# KiCad board pcb.kicad_pcb (continued)
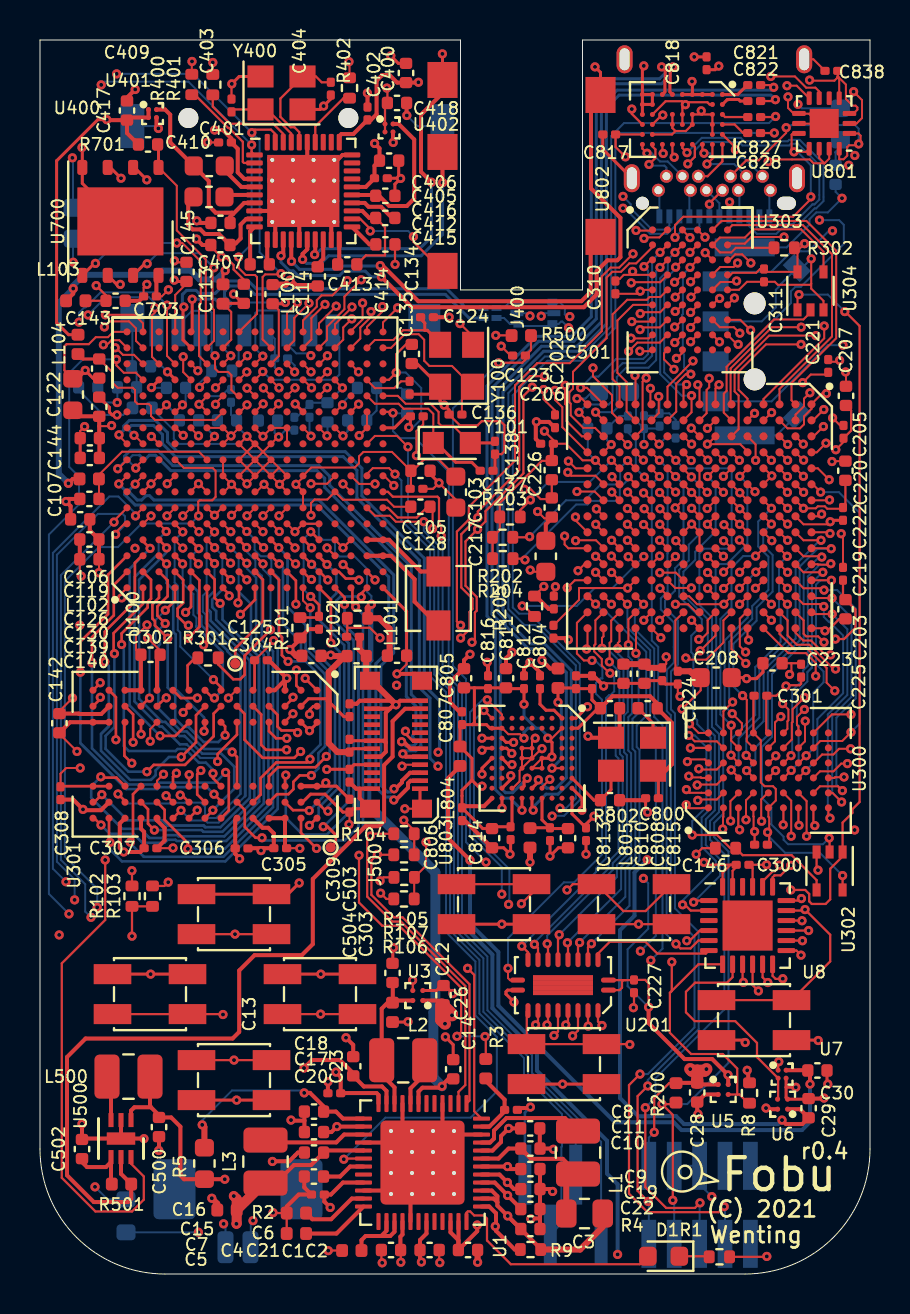
[diagram p0: board, top side]
## Routing (per net, layer and track width the routed paths; a pad name or vN(x,y) marks a point on that pad's centre or on a via; arc(x,y) is an arc through that point) (continued)
/fpga/FPGA_TDO: length 48.6
  Top w0.1: U200.K4 31.39,41.1 v1(31.79,40.7)
  Top w0.11: v1(30.27,8.32) 30.27,4.35 31.31,3.3 32.74,3.3 v1(33,3.56)
  Bottom w0.1: J200.6 32.98,3.54 v1(33,3.56) ; v1(30.27,8.32) 30.77,8.82 30.77,9.79 34.22,13.23 34.22,21.01 33.5,21.72 33.5,22.66 33.95,23.11 33.95,27.01 33.6,27.36 33.6,32.84 32.97,33.47 32.97,36.04 33.21,36.28 34.39,36.28 34.59,36.48 34.59,40.16 34.45,40.3 32.19,40.3 v1(31.79,40.7)
/fpga/FPGA_TMS: length 42
  Top w0.1: v1(31.78,39.89) 31.38,40.3 U200.K5
  Top w0.11: v1(30.41,3.63) 29.88,4.16 29.88,8.9 v1(30.39,9.41)
  Bottom w0.1: v1(30.39,9.41) 30.39,9.7 32.94,12.25 32.94,17.1 31.75,18.29 31.75,28.04 31.55,28.24 31.55,30.14 31.9,30.49 31.9,32.68 31.25,33.33 31.25,33.68 31.75,34.18 31.75,35.3 32.17,35.73 32.17,39.5 v1(31.78,39.89) ; J200.2 30.44,3.6 v1(30.41,3.63)
/fpga/K_A: length 20.1
  Top w0.1: v1(28.5,30.05) 28.47,30.05 28.09,30.44 28.09,30.76 27.71,31.14 27.71,31.44 27.77,31.5 27.77,32.69 28.18,33.1
  Top w0.11: 24.4,15.72 24.4,16.09 v1(24.09,16.4)
  Bottom w0.1: v1(28.5,30.05) 28.71,29.84 28.71,29.14 28.53,28.96 28.46,28.96 28.3,28.8 28.3,20.79 27.8,20.29 27.8,20.11 v1(24.09,16.4)
/fpga/K_B: length 22.5
  Top w0.1: v1(27.6,30.69) 27.19,30.69 26.85,31.03 26.85,32.57 U200.R14 ; v1(23.4,15.29) 23.4,14.8 23.5,14.7 U201.11
  Bottom w0.1: v1(27.6,30.69) 27.76,30.69 28.12,30.33 28.12,29.79 28.02,29.79 27.8,29.57 27.8,29.02 28.1,28.72 28.1,20.98 26.71,19.59 26.19,19.59 23.4,16.8 v1(23.4,15.29)
/fpga/K_DOWN: length 20.8
  Top w0.1: v1(27.78,33.51) 27.39,33.9 U200.R13
  Top w0.11: 27.4,15.72 27.4,16.35 v1(27.57,16.52)
  Bottom w0.1: v1(27.57,16.52) 29.47,18.42 29.47,20.2 29.97,20.7 29.97,26.22 29.84,26.36 29.84,27.44 30.31,27.92 30.31,31.12 28.31,33.12 28.17,33.12 v1(27.78,33.51)
/fpga/K_LEFT: length 18
  Top w0.1: v1(29.8,31.05) 29.8,32.28 U200.M15
  Top w0.11: v1(26.98,16.58) 26.9,16.5 26.9,15.72
  Bottom w0.1: v1(26.98,16.58) 29.26,18.86 29.26,20.28 29.76,20.78 29.76,26.13 29.63,26.27 29.63,27.77 29.93,28.07 29.93,30.92 v1(29.8,31.05)
/fpga/K_RIGHT: length 19.1
  Top w0.1: U200.M14 29.42,32.75 v1(29.42,31.47)
  Top w0.11: v1(26.37,16.57) 26.4,16.54 26.4,15.72
  Bottom w0.1: v1(26.37,16.57) 29.05,19.25 29.05,20.37 29.55,20.87 29.55,26.05 29.42,26.19 29.42,27.85 29.6,28.04 29.6,30.7 29.42,30.88 29.42,31.46
/fpga/K_SELECT: length 19.7
  Top w0.1: v1(28.47,30.62) 28.48,30.61 28.48,30.61 28.48,31.57 28.56,31.65 28.56,32.69 U200.N14
  Top w0.11: v1(24.72,16.49) 24.9,16.31 24.9,15.72
  Bottom w0.1: v1(24.72,16.49) 24.72,16.58 28.42,20.28 28.42,20.63 28.92,21.13 28.92,25.78 28.79,25.92 28.79,28.11 28.97,28.3 28.97,30.13 28.48,30.61
/fpga/K_START: length 18.9
  Top w0.1: 28.18,32.3 28.18,31.89 28.1,31.82 v1(28.1,31.3)
  Top w0.11: v1(25.36,16.52) 25.4,16.48 25.4,15.72
  Bottom w0.1: v1(25.36,16.52) 25.36,16.93 28.63,20.21 28.63,20.54 29.13,21.04 29.13,25.87 29,26.01 29,28.03 29.18,28.21 29.18,30.45 28.33,31.3 v1(28.1,31.3)
/fpga/K_UP: length 18.4
  Top w0.1: U200.N15 28.97,31.64 28.89,31.56 v1(28.89,31.29)
  Top w0.11: 25.9,15.72 25.9,16.91 v1(25.96,16.97)
  Bottom w0.1: v1(28.89,31.29) 28.89,31.04 29.39,30.54 29.39,28.12 29.21,27.94 29.21,26.1 29.34,25.96 29.34,20.96 28.84,20.46 28.84,19.85 v1(25.96,16.97)
/lcd/LEDA: length 43.3
  Top w0.2: 19,28.28 18.25,28.28 17.63,27.65 17.63,25.88 17.2,25.45 17.2,22.65 16.95,22.4 16.28,22.4 13.64,19.76 13.64,16.5 13.09,15.95 10.73,15.95 9.96,15.18 9.96,12.11 9.63,11.78 2.28,11.78 1.35,10.85 1.35,4.94 2.69,3.6 4.4,3.6 4.56,3.76 R501.2 4.05,5.01 U500.5
/mcu/JTAG_TCK: length 38.9
  Top w0.1: v1(19.19,37.63) 17.79,37.63 17.49,37.93 16.75,37.93 U100.T6
  Bottom w0.1: 26.78,4.97 26.78,7.6 24.4,9.98 24.4,10.88 22.17,13.11 22.17,15.79 20.7,17.26 20.7,29.3 19.92,30.08 19.92,36.44 19.19,37.17 v1(19.19,37.63)
/mcu/JTAG_TMS: length 43.1
  Top w0.11: v1(20.06,36.92) 20.06,37.45 19.95,37.56 19.95,38.8 19.87,38.88 17.64,38.88 17.4,39.12 U100.U7
  Bottom w0.1: J101.1 28.06,6.61 24.6,10.07 24.6,10.97 22.37,13.19 22.37,15.88 20.9,17.35 20.9,29.39 20.13,30.16 20.13,36.85 v1(20.06,36.92)
/mcu/RESET: length 45.3
  Top w0.1: U100.T10 16.75,41.92 17.85,41.92 v1(18.4,41.37)
  Bottom w0.1: J101.3 26.07,2.53 26.07,6.36 26.1,6.39 26.1,8 24.2,9.9 24.2,10.8 21.97,13.03 21.97,15.71 20.5,17.18 20.5,29.2 19.71,29.99 19.71,36.36 18.4,37.67 v1(18.4,41.37)
/power/TS: length 23.2
  Top w0.2: 22.8,2.67 22.8,2.42 v1(22.77,2.38) ; 22.8,2.67 22.8,2.16 23.73,1.22 R9.1 ; 22.8,2.67 22.8,3.04 22.47,3.38 U1.37
  In2.Cu w0.11: v1(7.92,2.09) 9.08,3.25 10.73,3.25 11.39,2.59 15.9,2.59 16.44,2.04 22.43,2.04 v1(22.77,2.38)
  Bottom w0.1: v1(7.92,2.09) 7.92,2.08 TH1.1
/usb/DP_AUXN: length 52
  Top w0.11: C828.1 36.71,57.07 v1(36.71,57.07)
  Top w0.15: v1(23.1,23.3) U803.H9
  In2.Cu w0.15: v1(23.1,23.3) 23.6,23.8 24.7,23.8 25.6,22.9 v1(25.6,22.9)
  Bottom w0.1: v1(36.71,57.07) 29,57.07 28.77,56.84 28.77,47.33 27.12,45.68 25.37,45.68 23.64,43.95 23.64,33.34 23.95,33.03 24.48,33.03 26.99,30.52 26.99,23.71 26.2,22.92 25.62,22.92 v1(25.6,22.9)
/usb/DP_AUXP: length 52.4
  Top w0.11: C827.1 36.75,57.87 v1(36.78,57.9)
  Top w0.15: U803.H8 23.54,24.74 v1(23.54,24.92)
  In2.Cu w0.15: v1(26,23.3) 25.1,24.2 24.26,24.2 v1(23.54,24.92)
  Bottom w0.1: v1(36.78,57.9) 36.45,57.57 29.2,57.57 28.56,56.93 28.56,47.42 27.03,45.89 25.24,45.89 23.42,44.07 23.42,33.26 24.22,32.46 24.77,32.46 26.79,30.44 26.79,23.79 26.3,23.3 v1(26,23.3)
/usb/DP_N0: length 46.6
  Top w0.15: U803.F9 v1(24.1,23.2) ; U802.G1 31.25,59.12 31.25,59.7 31.26,59.72 31.26,60.24 31.1,60.4
  Bottom w0.1: 31.26,60.24 31.1,60.4
  Bottom w0.15: v1(24.1,23.2) 23.5,23.8 23.2,23.8 22.76,24.24 22.76,32.49 22.35,32.91 22.35,44.42 24.83,46.91 26.59,46.91 27.56,47.88 27.56,59.04 28.31,59.79 30.98,59.79 30.98,59.78 31.26,60.07 31.26,60.24
  vias: v1(31.08,60.38)
/usb/DP_N1: length 51.5
  Top w0.11: v1(36.77,58.74) 36.7,58.67 C822.1
  Top w0.15: U803.E9 24.6,23.26 v1(24.66,23.2)
  Bottom w0.15: v1(24.66,23.2) 24.66,23.36 25.3,24 25.9,24 26.57,24.67 26.57,30.19 25.23,31.53 24.52,31.53 23.52,32.53 23.52,32.83 23.15,33.2 23.15,44.12 25.18,46.15 26.95,46.15 28.32,47.52 28.32,58.33 28.95,58.97 36.54,58.97 v1(36.77,58.74)
/usb/DP_P0: length 46.2
  Top w0.15: U803.F8 24.2,24.4 24.2,24.65 v1(24.36,24.8) ; v1(31.65,60.38) 31.51,60.24 31.51,59.62 31.5,59.6 31.5,59.12 U802.F1
  Bottom w0.15: v1(24.36,24.8) 23.64,24.08 23.28,24.08 23.01,24.34 23.01,32.32 23.01,32.6 22.6,33.01 22.6,44.32 24.93,46.66 26.69,46.66 27.81,47.78 27.81,58.94 28.41,59.53 31.08,59.53 31.51,59.96 31.51,60.24
/usb/DP_P1: length 50.7
  Top w0.11: v1(36.68,59.36) 36.57,59.47 C821.1
  Top w0.15: v1(24.92,24.72) 24.92,24.62 U803.E8
  Bottom w0.15: v1(36.68,59.36) 36.54,59.22 28.85,59.22 28.07,58.44 28.07,47.63 26.85,46.41 25.08,46.41 22.9,44.23 22.9,33.1 23.27,32.73 23.27,32.43 24.42,31.28 25.13,31.28 26.31,30.09 26.31,24.81 25.8,24.3 25.33,24.3 v1(24.92,24.72)
/usb/DP_VCC: length 42
  Top w0.1: U803.D5 U803.E6 U803.D6 U803.D5 ; U803.D5 25.54,25.8 25.6,25.86 ; U803.H2 23.12,27.3 23.42,27 24,27 v1(24.2,26.8) ; v1(25.39,26.8) 25.6,26.8 U803.B2
  Top w0.15: C805.1 21.72,29.32 ; 21.72,29.32 22.36,29.32 C816.1 22.44,29.32 C811.1 23.34,29.28 C812.1 v1(24.2,28.5) ; 21.72,29.32 21.72,27.58 21.62,27.48 ; v1(22.1,24.4) 21.9,24.4 21.6,24.7 ; 21.6,24.7 21.6,25.78 L804.2 21,27.38 C807.1 21.62,27.48 ; 21.6,24.7 21.1,24.2 C806.1 22.14,22.28 C814.1 22.69,22.37 C813.1 23.6,22.44 U803.G9 ; U803.H2 22.5,27.3 22.32,27.48 21.62,27.48 ; U803.A9 26.6,23.02 C815.1 27.3,22.5 v1(27.7,22.9) ; 25.6,26 25.6,26.59 v1(25.39,26.8) ; 25.6,26 25.6,25.86 v1(25.59,25.87) ; 25.6,26 25.4,25.8 U803.D5
  Top w0.2: U803.J9 22.2,23.4 21.18,23.4 C806.1
  In2.Cu w0.15: v1(22.1,24.4) 22.1,23 22.6,22.5 24.14,22.5 24.24,22.4 26,22.4 26.45,22.85 26.65,22.85 ; v1(27.7,22.9) 27.6,22.8 26.7,22.8 26.65,22.85 ; 26.65,22.85 26.65,24.82 25.77,25.7 25.75,25.7 v1(25.59,25.87)
  Bottom w0.15: v1(25.39,26.8) 25.39,26.91 25,27.3 24.8,27.3 ; 24.8,27.3 24.2,27.9 v1(24.2,28.5) ; 24.8,27.3 24.4,27.3 24.2,27.1 v1(24.2,26.8)
/usb/DP_VCCIO: length 19.1
  Top w0.1: U803.B6 v1(25.6,25.3)
  Top w0.15: U803.A2 26.9,27.3 27.96,28.36 27.6,28.72 ; C800.2 30.92,24.91 X800.4 ; 27.6,28.72 C802.1 C803.1 26.77,29.31 L803.2 v1(25.9,28.6) ; 27.6,28.72 C801.1 28,28.3
  Top w0.2: X800.4 31.28,25.17 31.6,25.5 31.6,27.56 R800.1 30.86,28.54 30.5,28.9 28.62,28.9 C801.1
  Bottom w0.15: v1(25.6,25.3) 26.07,25.77 26.07,28.43 v1(25.9,28.6)
/usb/DP_VPLL: length 3.6
  Top w0.15: L805.2 24.52,22.32 C810.1 ; C810.1 25.1,22.72 U803.D9 ; C810.1 25.54,22.28 C808.1
/usb/TYPEC_DN: length 17.4
  In2.Cu w0.15: 26.48,47.87 27.41,47.87 28.36,48.82 28.36,51.92 29.39,52.95 32.43,52.95 32.97,53.49 32.97,53.86 J800.B7
  Bottom w0.1: L800.4 23.19,48.32 23.47,48.6 U800.3 U800.4 26,48.6 26.24,48.36 26.24,48 26.37,47.87 26.48,47.87 ; J800.A7 33.97,53.56 J800.B7
  Bottom w0.2: 26.48,47.87 26.48,47.88 v1(26.49,47.89)
/usb/TYPEC_DP: length 17
  Top w0.11: J800.B6 33.47,53.56 v1(33.47,53.51)
  In2.Cu w0.15: v1(33.47,53.51) 33.34,53.51 32.53,52.7 29.49,52.7 28.61,51.82 28.61,48.72 27.51,47.62 27.03,47.62 26.73,47.32 26.43,47.32
  Bottom w0.1: v1(26.43,47.33) 26.12,47.64 26.05,47.64 25.93,47.52 U800.6 25.52,47.42 24.02,47.42 U800.1 23.5,47.52 23.2,47.82 L800.3 ; J800.A6 v1(33.47,53.51)
/usb/TYPEC_RX1N: length 2.8
  Top w0.11: U802.J6 30.12,56.29 v1(30.35,56.06)
  Bottom w0.1: J800.B10 31.38,55.65 31,55.65 30.59,56.06 v1(30.35,56.06)
/usb/TYPEC_RX1P: length 2.6
  Top w0.11: v1(30.45,55.5) 30.77,55.82 30.77,56.25 30.62,56.4 U802.H6
  Bottom w0.1: J800.B11 31.32,55.34 31.22,55.44 30.51,55.44 v1(30.45,55.5)
/usb/TYPEC_RX2N: length 15.1
  Top w0.11: U802.E6 32.12,56.32 v1(32.35,56.09)
  Bottom w0.1: J800.A10 35.47,52.4 35.84,52.03 36.81,52.03 37.1,52.31 37.74,52.31 38.73,53.3 38.81,53.3 39.18,53.67 39.18,55.54 37.99,56.73 37.45,56.73 37.38,56.66 35.21,56.66 35.04,56.83 33.09,56.83 v1(32.35,56.09)
/usb/TYPEC_RX2P: length 15.1
  Top w0.11: U802.D6 32.75,56.38 32.75,55.88 v1(32.39,55.53)
  Bottom w0.1: 38.62,53.5 38.72,53.5 38.97,53.74 38.97,55.47 37.9,56.53 37.54,56.53 37.46,56.45 35.12,56.45 34.95,56.62 33.16,56.62 32.73,56.19 32.73,55.87 v1(32.39,55.53) ; 38.62,53.5 38.68,53.5 ; 38.62,53.5 37.63,52.51 36.98,52.51 36.7,52.24 35.93,52.24 35.83,52.34 35.83,52.76 J800.A11
/usb/TYPEC_SBU1: length 13.5
  Top w0.11: v1(34.77,56.24) 34.76,56.25 34.76,56.36 U802.A5
  In2.Cu w0.11: v1(34.77,56.24) 35.07,56.54 37.9,56.54 38.97,55.47 38.97,53.62 38.17,52.82 35.28,52.82 v1(34.48,53.62)
  Bottom w0.1: J800.A8 34.47,53.61 v1(34.48,53.62)
/usb/TYPEC_SBU2: length 2.4
  Top w0.11: J800.B8 33.38,54.91 34.12,55.65 U802.A6
/usb/TYPEC_TX1N: length 11.7
  Top w0.11: U802.F6 31.62,55.95 v1(31.71,55.86)
  In2.Cu w0.11: v1(29.15,53.31) 28.55,53.91 28.55,56.03 29.44,56.92 31.04,56.92 31.71,56.25 v1(31.71,55.86)
  Bottom w0.1: v1(29.15,53.31) 29.23,53.31 30.51,52.03 31.36,52.03 31.97,52.64 J800.A3
/usb/TYPEC_TX1P: length 9.3
  Top w0.11: v1(31.16,56.05) 31.12,56.09 U802.G6
  In2.Cu w0.11: v1(31.16,56.05) 30.51,56.7 29.52,56.7 28.76,55.94 28.76,54.29 v1(29.15,53.9)
  Bottom w0.1: J800.A2 31.47,52.44 31.27,52.24 30.6,52.24 29.53,53.31 29.53,53.52 v1(29.15,53.9)
/usb/TYPEC_TX2N: length 3.3
  Top w0.11: U802.B6 33.62,55.79 v1(33.35,55.52)
  Bottom w0.1: J800.B3 34.71,55.52 v1(33.35,55.52)
/usb/TYPEC_TX2P: length 3.9
  Top w0.11: v1(33.2,56.06) 33.12,56.14 U802.C6
  Bottom w0.1: v1(33.2,56.06) 33.49,56.06 33.7,55.85 35.18,55.85 J800.B2
CRAMA_A0: length 11.7
  Top w0.1: v1(32.44,24.9) 32.5,24.84 33.04,24.84 33.07,24.81 U300.A3 ; v1(34.98,33.5) 34.98,33.5 U200.E13
  In2.Cu w0.1: v1(34.98,33.5) 34.98,33.13 34.27,32.42 34.27,30.36 33.49,29.58 33.49,25.21 33.15,24.87 32.47,24.87 v1(32.44,24.9)
CRAMA_A1: length 12.2
  Top w0.1: U200.G12 33.38,35.09 v1(33.38,35.09) ; v1(32.37,25.63) 32.48,25.74 33.25,25.74 U300.A4
  In2.Cu w0.1: v1(32.37,25.63) 32.77,25.63 33.07,25.93 33.07,29.76 33.85,30.54 33.85,32.03 33.8,32.08 33.8,34.67 v1(33.38,35.09)
CRAMA_A2: length 10
  Top w0.1: v1(33.38,34.3) 33.38,34.3 U200.G13
  Top w0.11: v1(32.52,26.31) 32.53,26.31 U300.A5
  In2.Cu w0.1: v1(32.52,26.31) 32.86,26.65 32.86,29.85 33.64,30.62 33.64,31.94 33.41,32.17 33.41,34.27 v1(33.38,34.3)
CRAMA_A3: length 13.2
  Top w0.1: U300.B3 33.84,24.48 32.88,24.48 v1(32.86,24.46) ; U200.E12 34.97,34.3 v1(34.97,34.3)
  In2.Cu w0.1: v1(32.86,24.46) 33.1,24.46 33.7,25.06 33.7,29.5 34.48,30.28 34.48,32.33 35.39,33.24 35.39,33.67 34.97,34.09 v1(34.97,34.3)
CRAMA_A4: length 12.6
  Top w0.1: v1(34.18,35.11) 34.19,35.11 U200.F11 ; v1(32.94,25.27) 32.97,25.23 33.84,25.23 U300.B4
  In2.Cu w0.1: v1(32.94,25.27) 33.28,25.61 33.28,29.67 34.06,30.45 34.06,32.5 34.58,33.02 34.58,34.71 v1(34.18,35.11)
CRAMA_A5: length 10.6
  Top w0.1: U200.C13 37.37,33.5 v1(37.37,33.5) ; v1(34.56,25.21) 34.92,24.85 U300.C3
  Bottom w0.1: v1(34.56,25.21) 34.93,25.58 34.93,26.79 35.97,27.83 35.97,30.27 37.37,31.67 v1(37.37,33.5)
CRAMA_A6: length 12.3
  Top w0.1: v1(34.55,25.95) 34.55,25.94 U300.C4 ; v1(37.36,35.9) 36.97,36.28 U200.C10
  Bottom w0.1: v1(37.36,35.9) 36.95,35.49 36.95,33.11 37.03,33.03 37.03,31.63 35.76,30.36 35.76,27.96 34.55,26.75 v1(34.55,25.95)
CRAMA_A7: length 14.3
  Top w0.1: v1(39.05,36.7) 38.18,36.7 U200.B9 ; v1(35.31,25.94) 35.67,25.58 U300.D4
  Bottom w0.1: v1(35.31,25.94) 35.31,26.78 36.18,27.65 36.18,30.18 37.78,31.78 37.78,35.49 38.99,36.7 v1(39.05,36.7)
CRAMA_A8: length 14.9
  Top w0.1: U200.B12 38.18,34.3 39.11,34.3 v1(39.2,34.21) ; U300.H2 39,24.4 39.9,24.4 v1(40.12,24.18)
  Bottom w0.1: v1(39.2,34.21) 39.86,34.21 40.79,33.28 40.79,28.79 39.82,27.82 39.82,24.48 v1(40.12,24.18)
CRAMA_A9: length 16.4
  Top w0.1: v1(40.37,25.53) 40.06,25.53 39.68,25.15 39,25.15 U300.H3 ; v1(39.08,38.01) 38.97,37.9 U200.A8
  In2.Cu w0.1: v1(40.37,25.53) 39.96,25.94 39.96,28.56 40.45,29.04 40.45,37.32 39.76,38.01 v1(39.08,38.01)
CRAMA_A10: length 16.4
  Top w0.1: U300.H4 38.69,25.56 39.1,25.98 39.66,25.98 39.95,26.27 v1(40.53,26.27) ; v1(39.48,38.72) 39.46,38.7 U200.A7
  In2.Cu w0.1: v1(40.53,26.27) 40.17,26.63 40.17,28.47 40.66,28.95 40.66,37.54 v1(39.48,38.72)
CRAMA_A11: length 16.4
  Top w0.1: U200.A6 38.64,39.5 v1(39.03,39.11) ; U300.H5 39.01,26.66 40.11,26.66 v1(40.55,27.1)
  Bottom w0.1: v1(39.03,39.11) 39.94,39.11 41,38.05 41,27.55 v1(40.55,27.1)
CRAMA_A12: length 11.6
  Top w0.1: v1(38.29,25.18) 38.28,25.18 U300.G3 ; U200.B13 38.16,33.51 39.07,33.51 v1(39.19,33.39)
  Bottom w0.1: v1(39.19,33.39) 39.19,32.87 39.43,32.63 39.46,32.63 40.16,31.94 40.16,29.05 38.87,27.76 38.87,25.76 v1(38.29,25.18)
CRAMA_A13: length 11.5
  Top w0.1: U300.G4 37.95,25.56 v1(38.31,25.93) ; U200.A12 v1(39.57,34.7)
  Bottom w0.1: v1(38.31,25.93) 38.66,26.28 38.66,29.08 39.18,29.6 39.18,30.13 38.8,30.51 38.8,34.48 39.02,34.7 v1(39.57,34.7)
CRAMA_A14: length 13
  Top w0.1: U300.F3 37.19,24.81 v1(37.56,25.19) ; U200.B11 38.18,35.1 v1(39.14,35.1)
  Bottom w0.1: 38.58,30.32 38.6,30.34 38.6,34.58 39.12,35.1 v1(39.14,35.1) ; 38.58,30.32 38.38,30.12 ; 38.58,30.32 38.37,30.11 38.37,29.64 37.84,29.11 37.84,27.52 37.93,27.43 37.93,25.56 v1(37.56,25.19)
CRAMA_A15: length 12.2
  Top w0.1: U200.A11 38.89,35.5 38.91,35.48 39.49,35.48 ; v1(37.55,25.93) 37.19,25.56 U300.F4
  Top w0.11: 39.49,35.48 v1(39.54,35.53)
  Bottom w0.1: v1(37.55,25.93) 37.61,25.99 37.61,29.18 38.16,29.73 38.16,30.2 38.39,30.43 38.39,34.89 38.98,35.48 39.49,35.48 v1(39.54,35.53)
CRAMA_A16: length 12.3
  Top w0.1: 36.18,37.1 36.59,36.68 v1(36.59,36.68) ; U300.E4 36.44,25.56 v1(36.79,25.92)
  In2.Cu w0.1: v1(36.79,25.92) 36.52,26.19 36.52,32.03 36.95,32.46 36.95,36.32 v1(36.59,36.68)
CRAMA_A17: length 14.7
  Top w0.1: v1(35.33,25.18) 35.67,24.84 U300.D3 ; v1(39.56,36.28) 39.54,36.3 U200.A10
  Bottom w0.1: v1(39.56,36.28) 38.88,36.28 37.98,35.38 37.98,31.69 36.39,30.1 36.39,26.96 35.77,26.34 35.77,25.62 v1(35.33,25.18)
CRAMA_A18: length 12.7
  Top w0.1: v1(39.74,29.17) 39.33,29.58 39.33,30.31 38.38,31.27 37.73,31.27 36.97,32.02 U200.C15
  Top w0.11: v1(38.74,22.43) 38.67,22.5 U300.H1
  In2.Cu w0.1: v1(39.74,29.17) 39.54,28.97 39.54,23.9 38.74,23.1 v1(38.74,22.43)
CRAMA_A19: length 15.7
  Top w0.1: v1(39.78,30.26) 39.68,30.26 38.47,31.48 37.84,31.48 37.38,31.94 37.38,32.69 U200.C14 ; v1(38.33,21.9) 38.33,23.66 U300.G2
  In2.Cu w0.1: v1(39.78,30.26) 39.78,29.77 39.33,29.32 39.33,23.99 38.33,22.99 v1(38.33,21.9)
CRAMA_A20: length 15.8
  Top w0.1: U200.A5 38.89,40.3 v1(39.46,39.73) ; v1(40.55,27.99) 39.59,27.99 U300.H6
  In2.Cu w0.1: v1(39.46,39.73) 40.87,38.32 40.87,28.31 v1(40.55,27.99)
CRAMA_A21: length 9.8
  Top w0.1: v1(36.57,33.5) 36.57,33.51 36.18,33.9 ; U300.E3 36.42,24.82 v1(36.78,25.18)
  In2.Cu w0.1: v1(36.57,33.5) 36.14,33.07 36.14,31.59 36.32,31.41 36.32,25.64 v1(36.78,25.18)
CRAMA_ADVN: length 14.6
  Top w0.1: U300.J3 39.72,24.81 39.76,24.85 40.19,24.85 v1(40.2,24.86) ; U200.A9 39.44,37.1 v1(39.5,37.04)
  In2.Cu w0.1: v1(40.2,24.86) 39.75,25.31 39.75,28.64 40.16,29.05 40.16,36.38 v1(39.5,37.04)
CRAMA_CEN: length 20.6
  Top w0.1: U200.B10 38.18,35.9 39.05,35.9 v1(39.09,35.86)
  Top w0.11: v1(39.46,21.81) 39.48,21.79 U302.2
  Bottom w0.1: v1(39.09,35.86) 38.95,35.86 38.18,35.09 38.18,31.59 36.6,30.01 36.6,26.87 36.1,26.37 36.1,23.81 36.57,23.34 36.57,22.48 37.18,21.87 37.18,21.72 37.4,21.5 39.15,21.5 v1(39.46,21.81)
CRAMA_CLK: length 13.1
  Top w0.1: U300.J2 39.62,24.06 v1(40.08,23.61) ; v1(39.6,33.81) 38.66,33.81 U200.A13
  Bottom w0.1: v1(39.6,33.81) 40.58,32.83 40.58,28.88 39.61,27.91 39.61,24.08 v1(40.08,23.61)
CRAMA_CRE: length 10.8
  Top w0.1: U300.A6 32.93,27.06 v1(32.47,27.52) ; v1(33.38,35.89) 33.38,35.89 U200.G11
  In2.Cu w0.1: v1(32.47,27.52) 32.49,27.53 32.49,29.86 33.43,30.81 33.43,31.85 33.2,32.08 33.2,33.07 32.97,33.3 32.97,35.48 v1(33.38,35.89)
CRAMA_DQ0: length 13.4
  Top w0.1: 36.18,38.7 36.18,38.69 v1(36.57,38.3) ; U300.B6 34.17,28.15 v1(34.63,28.61)
  Bottom w0.1: v1(36.57,38.3) 35.91,37.64 35.91,36.39 36.42,35.88 36.42,34.22 35.61,33.41 35.61,32.77 34.46,31.62 34.46,28.78 v1(34.63,28.61)
CRAMA_DQ1: length 11.6
  Top w0.1: v1(34.56,27.45) 34.56,26.67 U300.C5 ; 36.18,36.3 35.78,35.91 v1(35.78,35.91)
  Bottom w0.1: v1(35.78,35.91) 35.16,35.91 34.58,35.32 34.58,33.32 34.02,32.76 34.02,27.99 v1(34.56,27.45)
CRAMA_DQ2: length 9.7
  Top w0.1: v1(34.61,28.03) 35.09,27.55 35.09,27.24 U300.C6 ; v1(35.79,35.11) 36.18,35.5 36.18,35.5
  Bottom w0.1: v1(35.79,35.11) 35.38,34.7 35.38,32.84 34.23,31.69 34.23,28.41 v1(34.61,28.03)
CRAMA_DQ3: length 13.3
  Top w0.1: 36.18,37.9 36.18,37.9 v1(36.57,37.51) ; v1(35.13,28.93) 35.34,28.72 35.34,26.65 U300.D5
  Bottom w0.1: v1(36.57,37.51) 36.16,37.1 36.16,36.44 36.63,35.97 36.63,34.13 35.83,33.33 35.83,32.68 34.67,31.52 34.67,29.39 v1(35.13,28.93)
CRAMA_DQ4: length 11.9
  Top w0.1: v1(37.38,36.7) 37.38,36.7 U200.C9 ; U300.E5 36.75,26.65 36.75,27.59 v1(37.04,27.88)
  In2.Cu w0.1: v1(37.04,27.88) 36.72,28.2 36.72,30.92 37.77,31.97 37.77,36.31 v1(37.38,36.7)
CRAMA_DQ5: length 14.1
  Top w0.1: v1(38.22,28.84) 37.63,28.25 37.63,27.61 37.59,27.57 37.59,26.73 U300.F5 ; U200.B6 38.18,39.1 v1(38.18,39.1)
  In2.Cu w0.1: v1(38.22,28.84) 38.4,29.02 38.4,30.09 38.62,30.31 38.62,38.66 v1(38.18,39.1)
CRAMA_DQ6: length 12
  Top w0.1: v1(37.38,37.51) 37.37,37.51 U200.C8 ; U300.F6 37.37,27.27 37.37,27.65 37.42,27.7 37.42,28.24 v1(37.13,28.53)
  In2.Cu w0.1: v1(37.38,37.51) 37.99,36.9 37.99,31.8 36.92,30.73 36.92,28.74 v1(37.13,28.53)
CRAMA_DQ7: length 13.6
  Top w0.1: v1(37.37,39.1) 37.37,39.11 U200.C6 ; v1(38.22,28.24) 37.85,27.87 37.85,27.46 37.92,27.39 U300.G6
  In2.Cu w0.1: v1(38.22,28.24) 37.83,28.63 37.83,29.02 38.19,29.38 38.19,30.23 38.41,30.45 38.41,37.34 37.77,37.98 37.77,38.7 v1(37.37,39.1)
CRAMA_DQ8: length 16.2
  Top w0.1: U300.B1 34.17,22.86 34.15,22.84 34.15,22.27 v1(34.14,22.26) ; U200.F14 34.17,32.69 34.17,31.59 33.31,30.73 32.37,30.73 v1(32.29,30.81)
  In2.Cu w0.1: v1(32.29,30.81) 31.17,29.69 31.17,23.62 32.43,22.36 34.04,22.36 v1(34.14,22.26)
CRAMA_DQ9: length 12.1
  Top w0.1: v1(35.29,30.54) 34.57,31.26 U200.F15
  Top w0.11: U300.C1 34.91,23.31 34.91,22.29 v1(34.98,22.22)
  In2.Cu w0.1: 34.92,22.28 34.92,23.1 35.72,23.9 35.72,25.25 35.7,25.27 35.7,29.58 35.72,29.6 35.72,30.12 v1(35.29,30.54)
  In2.Cu w0.102: 34.91,22.29 v1(34.98,22.22) 34.92,22.28
CRAMA_DQ10: length 15.6
  Top w0.1: U300.C2 34.92,24.05 34.52,23.65 34.52,22.67 v1(34.53,22.66) ; U200.G14 33.38,32.7 33.38,32.07 33.05,31.74 v1(32.94,31.74)
  In2.Cu w0.1: v1(34.53,22.66) 32.45,22.66 31.38,23.73 31.38,29.35 32.67,30.64 32.67,30.95 32.63,30.99 32.63,31.43 v1(32.94,31.74)
CRAMA_DQ11: length 12.7
  Top w0.1: U200.E14 35.31,33.1 34.99,32.78 34.99,31.4 v1(35.28,31.11) ; v1(35.3,22.72) 35.3,23.69 U300.D2
  In2.Cu w0.1: v1(35.28,31.11) 35.92,30.47 35.92,25.35 35.93,25.34 35.93,23.35 v1(35.3,22.72)
CRAMA_DQ12: length 11.6
  Top w0.1: U200.E15 35.38,31.77 v1(35.43,31.71) ; v1(36.08,22.65) 36.06,22.67 36.06,23.74 36.38,24.06 U300.E2
  In2.Cu w0.1: v1(36.08,22.65) 36.14,22.71 36.14,25.42 36.12,25.44 36.12,31.02 v1(35.43,31.71)
CRAMA_DQ13: length 15.2
  Top w0.1: U300.F2 37.56,23.67 v1(37.56,21.9) ; v1(39.2,31.6) 38.9,31.9 38.3,31.9 38.18,32.02 38.18,32.69 U200.B14
  In2.Cu w0.1: v1(37.56,21.9) 37.56,22.9 38.91,24.25 38.91,29.5 39.17,29.76 39.17,30.09 39.15,30.11 39.15,31.55 v1(39.2,31.6)
CRAMA_DQ14: length 12.9
  Top w0.1: 36.18,32.3 37.42,31.06 38.29,31.06 38.78,30.56 v1(38.78,29.91)
  Top w0.11: v1(37.16,22.47) 37.17,22.48 U300.F1
  In2.Cu w0.1: v1(38.78,29.91) 38.7,29.82 38.7,24.38 37.16,22.84 v1(37.16,22.47)
CRAMA_DQ15: length 12.5
  Top w0.1: v1(39.53,30.97) 39.52,30.96 39.28,30.96 38.55,31.69 38.16,31.69 37.78,32.08 U200.B15
  Top w0.11: v1(37.95,22.44) 37.92,22.47 U300.G1
  In2.Cu w0.1: v1(39.53,30.97) 39.38,30.82 39.38,29.67 39.12,29.41 39.12,24.07 37.95,22.9 v1(37.95,22.44)
CRAMA_LBN: length 11.2
  Top w0.1: v1(32.31,23.47) 32.48,23.3 33.08,23.3 33.1,23.31 U300.A1 ; U200.G15 33.78,31.94 v1(33.01,31.17)
  In2.Cu w0.1: v1(33.01,31.17) 33.01,30.68 31.59,29.26 31.59,24.21 31.93,23.87
  In2.Cu w0.102: 31.94,23.86 31.93,23.87 31.93,23.85 v1(32.31,23.47)
CRAMA_OEN: length 14.8
  Top w0.1: v1(32.32,24.23) 32.48,24.07 33.07,24.07 33.08,24.06 U300.A2 ; U200.E11 34.98,35.11 v1(34.98,35.1)
  In2.Cu w0.1: v1(34.98,35.1) 35.38,34.7 35.38,33.98 35.6,33.76 35.6,33.12 34.69,32.21 34.69,30.19 33.94,29.44 33.94,24.99 33.03,24.08 32.47,24.08 v1(32.32,24.23)
CRAMA_UBN: length 13.9
  Top w0.1: v1(32.89,23.69) 32.93,23.73 33.84,23.73 U300.B2 ; v1(35.77,34.3) 35.78,34.3 36.18,34.7
  In2.Cu w0.1: v1(35.77,34.3) 35.81,34.26 35.81,33.03 34.9,32.12 34.9,30.1 34.16,29.36 34.16,24.91 32.94,23.69 v1(32.89,23.69)
CRAMA_WAIT: length 12.6
  Top w0.1: v1(39.5,22.8) 39.42,22.88 U300.J1 ; U200.A14 38.66,33.01 v1(39.61,33.01)
  Bottom w0.1: v1(39.61,33.01) 40.37,32.25 40.37,28.96 39.39,27.99 39.39,22.91 v1(39.5,22.8)
CRAMA_WEN: length 13.5
  Top w0.1: U200.C7 37.38,38.3 v1(37.38,38.3) ; v1(38.26,27.66) 38.25,27.65 38.25,26.65 U300.G5
  In2.Cu w0.1: v1(37.38,38.3) 37.38,38.07 38.2,37.25 38.2,30.54 37.98,30.32 37.98,29.47 37.62,29.11 37.62,28.3 v1(38.26,27.66)
CRAMB_A0: length 16.5
  Top w0.1: 36.18,43.5 36.18,43.77 39.21,46.8 v1(39.21,47.42) ; U303.A3 32.12,52.22 v1(32.5,51.84)
  In2.Cu w0.1: v1(39.21,47.42) 39.03,47.6 39.03,49.75 37.67,51.11 37.67,52.05 37.32,52.4 33.06,52.4 v1(32.5,51.84)
CRAMB_A1: length 15.4
  Top w0.1: v1(33.25,51.86) 33.24,51.86 U303.A4 ; v1(38.05,46.5) 36.3,46.5 34.93,45.13 34.93,44.23 35.38,43.78 U200.E1
  In2.Cu w0.1: v1(38.05,46.5) 38.05,46.73 38.57,47.25 38.57,49.25 36.09,51.73 33.73,51.73
  In2.Cu w0.11: 33.73,51.73 33.38,51.73 v1(33.25,51.86)
CRAMB_A2: length 15.7
  Top w0.1: U200.B1 37.58,43.7 37.58,44.57 39.81,46.81 39.81,51.18 38.32,52.68 34.08,52.68 U303.A5
CRAMB_A3: length 10.3
  Top w0.1: v1(32.58,43.94) 32.58,43.1 32.18,42.7 ; U303.B3 v1(31.75,51.1)
  Bottom w0.1: v1(32.58,43.94) 32.08,43.94 31.01,45.01 31.01,49.81 31.39,50.19 31.39,50.74 v1(31.75,51.1)
CRAMB_A4: length 15.6
  Top w0.1: U200.F1 34.53,43.55 34.53,45.3 36.59,47.36 v1(38.06,47.36) ; U303.B4 v1(32.5,51.1)
  In2.Cu w0.1: v1(38.06,47.36) 38.36,47.65 38.36,49.17 36.05,51.47 32.87,51.47 v1(32.5,51.1)
CRAMB_A5: length 8.4
  Top w0.1: 32.18,43.5 32.18,44.33 v1(32.33,44.49) ; U303.C3 32.12,50.7 v1(31.78,50.36)
  Bottom w0.1: v1(32.33,44.49) 31.82,44.49 31.21,45.1 31.21,49.71 31.78,50.28 v1(31.78,50.36)
CRAMB_A6: length 9.2
  Top w0.1: v1(32.54,45.01) 32.29,45.01 31.81,44.53 31.81,43.13 U200.K2 ; U303.C4 v1(32.5,50.35)
  Bottom w0.1: v1(32.54,45.01) 32.21,45.34 32.21,45.98 32.14,46.05 32.14,47.75 32.1,47.79 32.1,47.97 32.14,48.01 32.15,48.28 32.15,49.98 32.14,49.99 v1(32.5,50.35)
CRAMB_A7: length 7.6
  Top w0.1: U303.D4 v1(32.53,49.63) ; v1(33.95,44.48) 33.78,44.31 U200.G1
  In2.Cu w0.1: 32.53,49.61 33.07,49.61 33.59,49.09 33.59,45.27 33.95,44.91 v1(33.95,44.48)
CRAMB_A8: length 9
  Top w0.1: v1(32.56,42.31) 32.57,42.31 U200.H3 ; U303.H2 30.99,46.59 29.87,46.59 v1(29.43,46.15)
  In2.Cu w0.1: v1(29.43,46.15) 29.15,45.87 29.15,44.48 31.08,42.55 31.34,42.55 31.58,42.31 v1(32.56,42.31)
